# Altium PCB UHVValveCtrlv1.PcbDoc
Units mm, origin at the board's own origin, x right, y up, seen from the top; angles counter-clockwise.
Board outline 139.7 x 45.72 mm, 2 copper layers (Top Layer, Bottom Layer); 68 components, 41 nets, 228 pads, 36 vias.
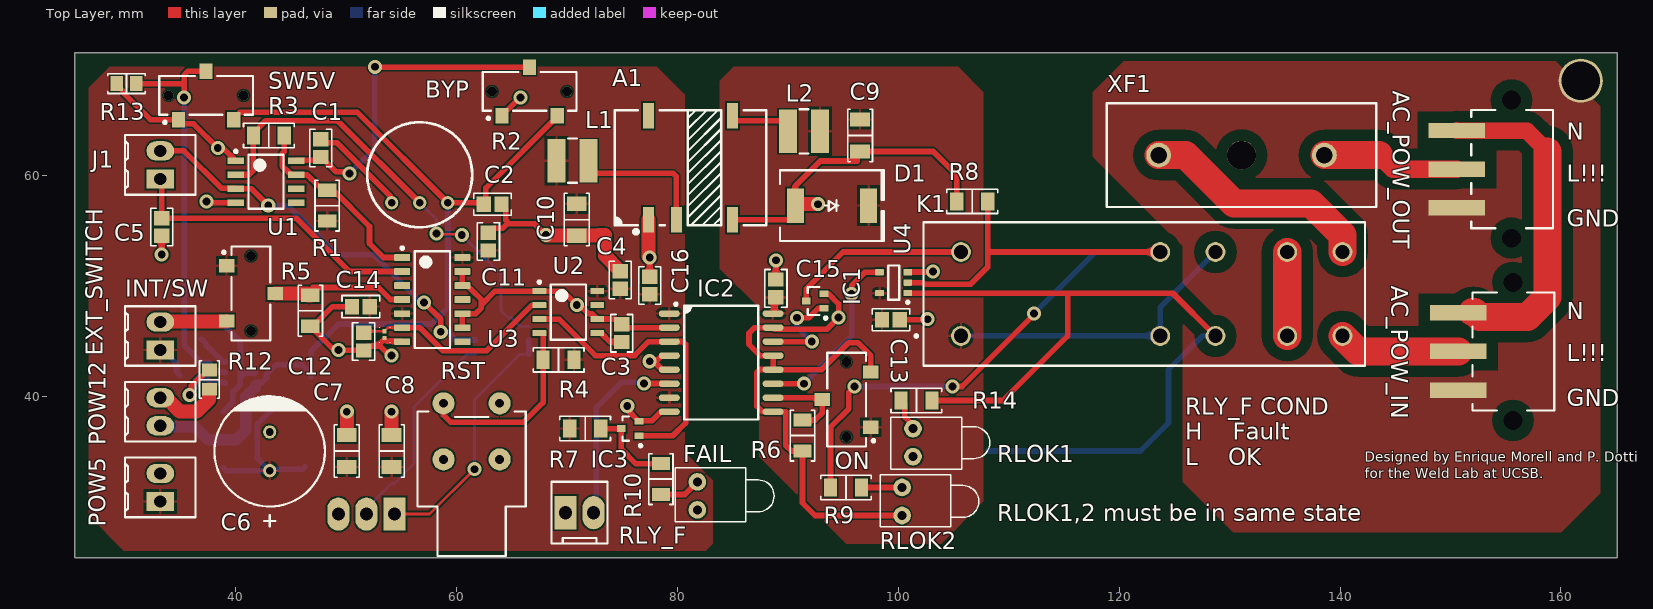
[diagram p0: Top Layer view]
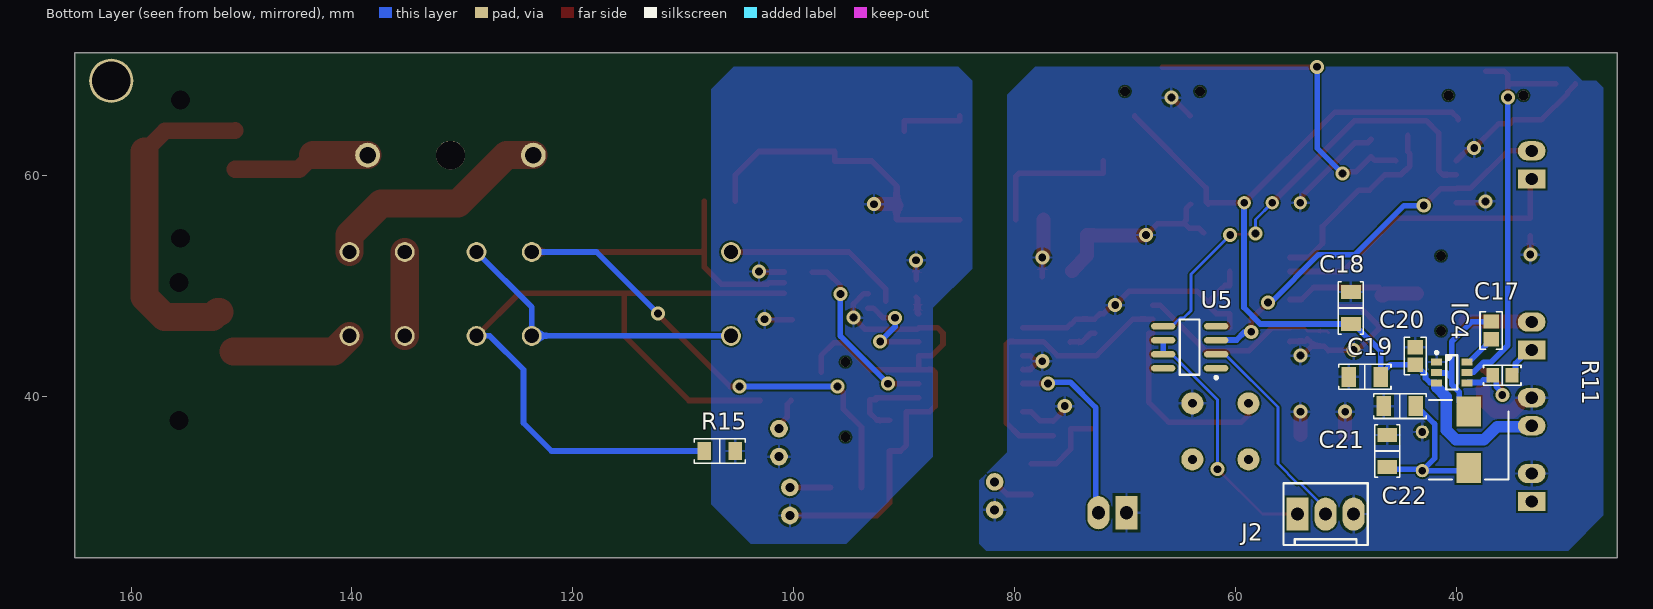
[diagram p1: Bottom Layer view, seen from below]
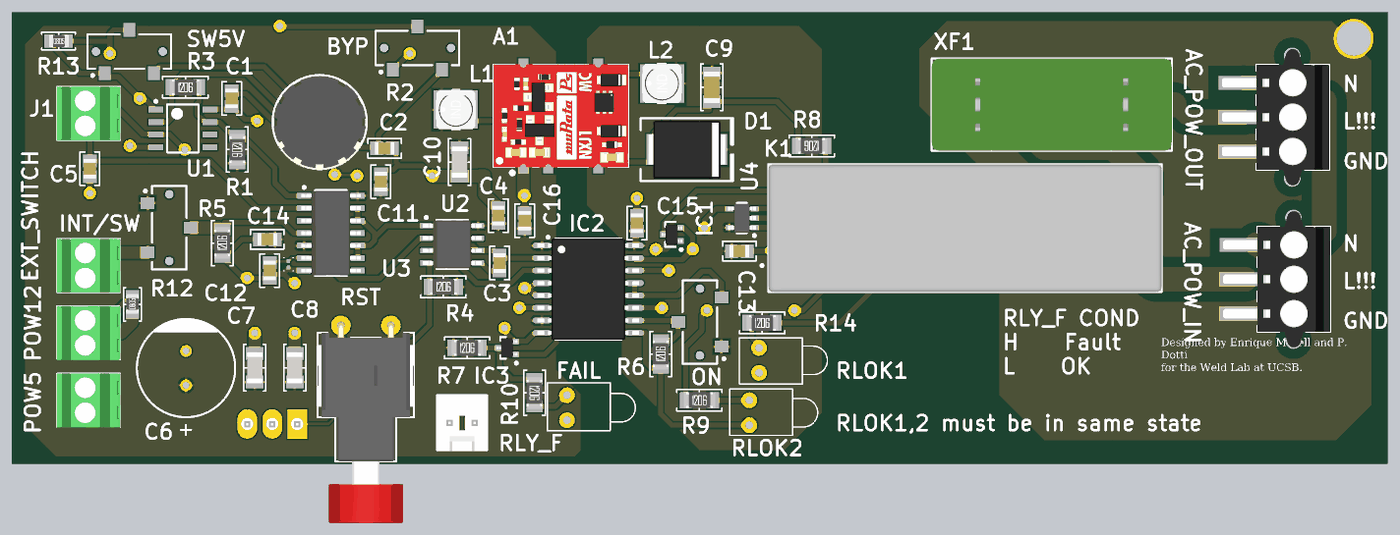
[diagram p2: 3D render of the assembled board from above, using the file's embedded part models]
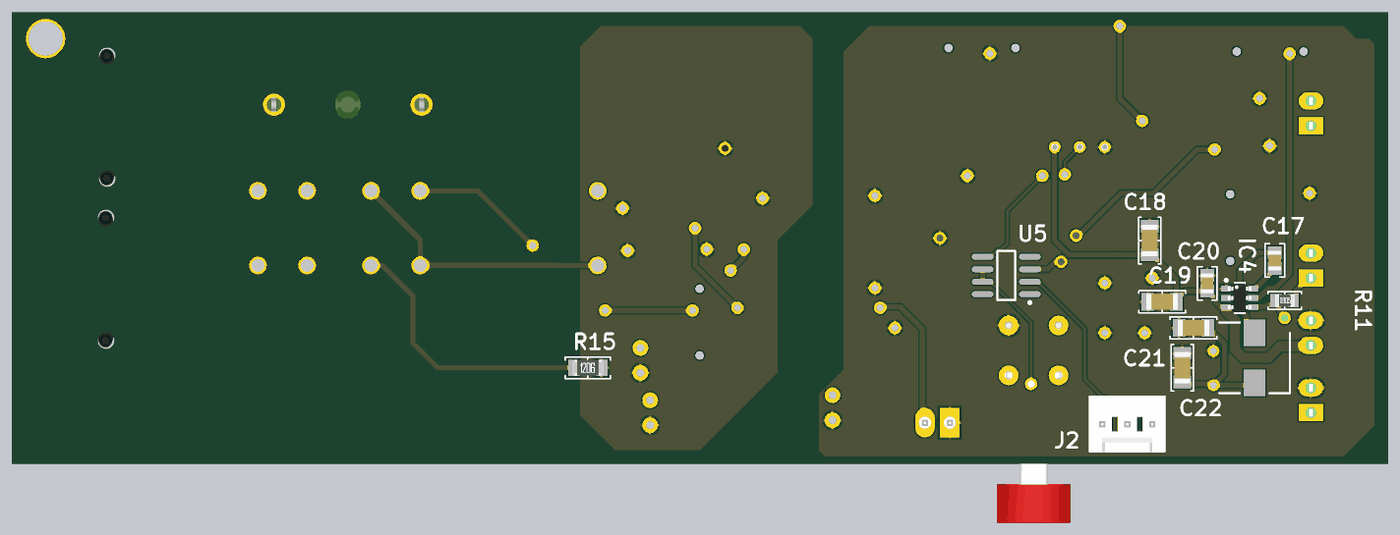
[diagram p3: 3D render of the assembled board from below, using the file's embedded part models]

## Layer stack, top to bottom
Top Solder: solder mask 0.0102, Solder Resist, Dk 3.5
Top Layer: signal copper 0.0356
Dielectric 1: dielectric 0.32, FR-4, Dk 4.8
Bottom Layer: signal copper 0.0356
Bottom Solder: solder mask 0.0102, Solder Resist, Dk 3.5

## Board outline
25.4,25.4 25.4,71.12 165.1,71.12 165.1,25.4

## Design rules (kind name [scope] priority, off if disabled: settings)
Clearance Clearance_1 [All vs InNetClass('AC')] p1: gap=1.016 ignorepadtopadclearanceinfootprint=FALSE
Clearance [All] p2: gap=0.152 ignorepadtopadclearanceinfootprint=FALSE
HoleSize [All] p1: absolutevalues=TRUE maxlimit=4 minlimit=0.254 maxpercent=80.000 minpercent=20.000
MinimumSolderMaskSliver [All] p1: minsoldermaskwidth=0.15
PlaneClearance PlaneClearance_1 [InNetClass('AC')] p1: clearance=1.27
PlaneClearance [All] p2: clearance=0.508
PolygonConnect PolygonConnect_1 [All vs InNetClass('AC')] p1: thpad.connectstyle=Direct thpad.reliefconductorwidth=0.254 thpad.reliefentries=4 thpad.polygonreliefangle="90 Angle" thpad.airgapwidth=0.254 smdpad.connectstyle=Direct smdpad.reliefconductorwidth=0.254 smdpad.reliefentries=4 smdpad.polygonreliefangle="90 Angle" smdpad.airgapwidth=0.254 via.connectstyle=Relief via.reliefconductorwidth=0.254 via.reliefentries=4 via.polygonreliefangle="90 Angle" via.airgapwidth=0.254
PolygonConnect [All] p2: connectstyle=Relief reliefconductorwidth=0.254 reliefentries=4 polygonreliefangle="90 Angle" airgapwidth=0.254
RoomDefinition U_Logic [InComponentClass('U_Logic')] p1: confinementstyle=ConfineIn formatcopy=TRUE lockcomponents=FALSE outline 49.276,42.926 64.262,42.926 64.262,56.134 49.276,56.134
RoomDefinition U_IonValveCtrl [InComponentClass('U_IonValveCtrl')] p2: confinementstyle=ConfineIn formatcopy=TRUE lockcomponents=FALSE outline 67.31,25.146 160.274,25.146 160.274,68.58 67.31,68.58
RoomDefinition U_InputConnectors [InComponentClass('U_InputConnectors')] p3: confinementstyle=ConfineIn formatcopy=TRUE lockcomponents=FALSE outline 28.056,67.097 28.056,69.555 32.69,69.555 32.69,70.515 41.898,70.515 41.898,53.924 44.607,53.924 44.607,50.71 50.984,50.71 50.984,37.756 55.556,37.756 55.556,32.348 48.407,32.348 48.407,27.862 37.699,27.862 37.699,28.096 29.093,28.096 29.093,67.097
RoomDefinition U_FlipFlop [InComponentClass('U_FlipFlop')] p4: confinementstyle=ConfineIn formatcopy=TRUE lockcomponents=FALSE outline 54.987,17.936 54.987,41.644 66.475,41.644 66.475,50.859 73.474,50.859 73.474,52.575 76.132,52.575 76.132,46.479 76.259,46.479 76.259,42.421 71.844,42.421 71.844,41.878 67.695,41.878 67.695,17.936
RoomDefinition U_AnalogPressure [InComponentClass('U_AnalogPressure')] p5: confinementstyle=ConfineIn formatcopy=TRUE lockcomponents=FALSE outline 38.847,56.607 38.847,62.695 40.351,62.695 40.351,65.056 51.041,65.056 51.041,65.672 61.989,65.672 61.989,70.876 71.197,70.876 71.197,63.666 65.275,63.666 65.275,56.075 62.243,56.075 62.243,54.47 51.041,54.47 51.041,54.648 46.831,54.648 46.831,56.607
RoutingVias [All] p1: holewidth=0.711 width=1.27 viastyle="Through Hole" minholewidth=0.711 minwidth=1.27 maxholewidth=0.711 maxwidth=1.27
SilkToSolderMaskClearance [IsPad] p1: minsilkscreentomaskgap=0.15 clearancetoexposedcopper=TRUE
SolderMaskExpansion [All] p1: expansion=0.05
Width Width_1 [InNetClass('AC')] p1: maxlimit=5.08 minlimit=1.02 preferedwidth=2.54
Width [All] p2: maxlimit=1.27 minlimit=0.254 preferedwidth=0.508
26 further rules are at their usual default settings.

## Classes and differential pairs
net class AC: AC_GND AC_LIVE AC_LIVE_Fuse AC_LIVE_IN AC_LIVE_OUT AC_NEUTRAL
component class U_Logic: C11 C12 C14 U3
component class U_IonValveCtrl: A1 AC_POW_IN AC_POW_OUT C9 C10 C13 C15 C16 D1 FAIL IC1 IC2 IC3 K1 L1 L2 ON R6 R7 R8 R9 R10 R14 R15 RLOK1 RLOK2 RLY_F U4 XF1
component class U_InputConnectors: C5 C6 C7 C8 C17 C18 C19 C20 C21 C22 EXT_SWITCH IC4 INT/SW J1 POW5 POW12 R5 R11 R12 R13 SW5V
component class U_FlipFlop: C3 C4 R4 RST U2
component class U_AnalogPressure: BYP C1 C2 R1 R2 R3 U1

## Components (designator, comment, footprint, x,y, rotation, side; value= is the part's Value field where it differs from the comment)
A1 "NXJ1S0505MC-R7" "MURATA NXJ1" 82.423,60.706 r0 top
AC_POW_IN "691508110303" "WURTH 691508110303" 155.702,44.069 r270 top
AC_POW_OUT "691508110303" "WURTH 691508110303" 155.575,60.579 r270 top
BYP "CL-SB-12B-01T" SW_CL-SB-12B-01 66.637,67.163 r0 top
C1 "0.1uF" "CAP 0805/2012" 47.679,62.484 r90 top
C2 "0.1uF" "CAP 0805/2012" 63.246,57.404 r0 top
C3 "10000pF" "CAP 0805/2012" 74.93,45.72 r270 top
C4 "0.1uF" "CAP 0805/2012" 74.803,50.546 r270 top
C5 "10000pF" "CAP 0805/2012" 33.274,55.334 r270 top
C6 "22uF" "CAP AL TH D8 L3.5 H11.5" 43.053,33.274 r90 top
C7 "4.7uF" "CAP 1206/3216 - 1.0MM" 50.038,35.052 r90 top
C8 "4.7uF" "CAP 1206/3216 - 1.0MM" 54.102,35.052 r90 top
C9 "2.2uF" "CAP 1206/3216" 96.52,63.627 r270 top
C10 "4.7uF" "CAP 1206/3216 - 1.8MM" 70.866,56.007 r90 top
C11 "0.1uF" "CAP 0805/2012" 62.865,54.013 r90 top
C12 "0.1uF" "CAP 0805/2012" 51.562,44.958 r270 top
C13 "0.1uF" "CAP 0805/2012" 99.314,46.938 r0 top
C14 "0.1uF" "CAP 0805/2012" 51.308,48.133 r180 top
C15 "0.1uF" "CAP 0805/2012" 88.9,49.784 r90 top
C16 "0.1uF" "CAP 0805/2012" 77.47,50.038 r90 top
C17 "0.1uF" "CAP 0805/2012" 36.83,45.974 r90 bottom
C18 "10uF" "CAP 1206/3216" 49.53,48.006 r270 bottom
C19 "10uF" "CAP 1206/3216" 48.26,41.77 r180 bottom
C20 "0.1uF" "CAP 0805/2012" 43.688,43.65 r270 bottom
C21 "22uF" "CAP 1206/3216" 45.085,39.116 r180 bottom
C22 "22uF" "CAP 1206/3216" 46.228,35.052 r270 bottom
D1 "SM15T15CA" "ST DO214AB SMC" 93.98,57.277 r0 top
EXT_SWITCH "282834-2" "TE 282834-2"#1 33.147,45.466 r90 top
FAIL "LED2" LED-1 81.788,30.988 r0 top
IC1 "BSS138WH6327XTSA1" "INFINEON SOT-323-3" 92.456,48.641 r180 top
IC2 "SI8641BB-B-IS" "SI LABS SOIC-16 WIDE" 83.947,43.053 r0 top
IC3 "BSS138WH6327XTSA1" "INFINEON SOT-323-3" 75.692,37.084 r180 top
IC4 "TPS563201DDCT" "TI SOT-23-6 DDC" 40.386,42.164 r180 bottom
INT/SW "CL-SB-12B-01T" SW_CL-SB-12B-01 40.894,49.276 r270 top (schematic designator INT_SWITCH)
J1 "282834-2" "TE 282834-2"#1 33.147,60.96 r90 top
J2 "22272031" "MOLEX KK 0022272031" 51.816,29.337 r180 bottom
K1 "7-1415054-1" TECO-3-1415055-1-10_V 122.936,49.276 r0 top
L1 "VLCF4024T-4R7N1R4-2" "TDK VLCF4024-2" 70.485,61.341 r0 top value=4.7uH
L2 "VLCF4024T-100MR90-2" "TDK VLCF4024-2" 91.44,64.008 r0 top value=10uH
ON "CL-SB-12B-01T" SW_CL-SB-12B-01 95.758,39.751 r90 top
POW5 "282834-2" "TE 282834-2"#1 33.147,31.75 r90 top
POW12 "282834-2" "TE 282834-2"#2 33.147,38.608 r90 top
R1 "1k" "RES 1206/3216" 48.26,57.277 r270 top
R2 "20k" "POT MODEL91A" 56.642,60.071 r0 top
R3 "510k" "RES 1206/3216" 42.98,63.627 r0 top
R4 "10k" "RES 1206/3216" 69.215,43.307 r0 top
R5 "10k" "RES 1206/3216" 46.736,47.752 r90 top
R6 "10k" "RES 1206/3216" 91.313,36.449 r90 top
R7 "620" "RES 1206/3216" 71.628,37.084 r0 top
R8 "10k" "RES 1206/3216" 106.68,57.658 r180 top
R9 "620" "RES 1206/3216" 95.25,31.75 r0 top
R10 "620" "RES 1206/3216" 78.486,32.512 r270 top
R11 "54.9k" "RES 0805/2012" 35.814,41.91 r180 bottom
R12 "10k" "RES 0805/2012" 37.592,41.515 r90 top
R13 "10k" "RES 0805/2012" 30.085,68.326 r0 top
R14 "620" "RES 1206/3216" 101.63,39.624 r0 top
R15 "10k" "RES 1206/3216" 106.68,35.052 r180 bottom
RLOK1 "LED1" LED-1 101.319,35.81 r0 top
RLOK2 "LED1" LED-1 100.33,30.48 r0 top
RLY_F "0022272021" "MOLEX KK 0022272021" 71.12,29.464 r0 top
RST "AB11AH-HC" "NKK AB11AH-HC" 61.341,34.29 r180 top
SW5V "CL-SB-12B-01T" SW_CL-SB-12B-01 37.338,66.802 r0 top
U1 "LM311DR2G" ONSC-SOIC-8-751-07_V 42.726,59.436 r0 top
U2 "NE555D" D0008A_L 70.104,47.625 r0 top
U3 "CD74HC21M96" D0014A_N 57.785,48.768 r0 top
U4 "SN74LVC1G86DBVR" DBV0005A_L 99.568,50.292 r180 top
U5 "ADA4075-2ARZ" ADI-R-8_N 64.122,44.45 r0 bottom
XF1 "696105003002" 696105003002 131.071,61.849 r0 top

## Footprints (in the part's own frame and the unit in brackets; to place one, negate y for a bottom-side part, rotate by r counter-clockwise, add the part's x,y. Pads: shape width x height; smd on the part's side, far side on the other; paste and mask are expansions set on the pad)
696105003002 [mm] "FUSEHOLDER BLOCKS - PCB - CLIP COVER - THT"
  round 2.25 hole 1.5: 1(-7.5,0) 2(7.5,0)
  round 2.6 hole 2.6 unplated: MH1(0,0)
  silkscreen extent -12.2,-4.7 12.2,4.7, body extent -12.2,-4.7 12.2,4.7, height 11.55
ADI-R-8_N [mm] "SOIC, 8-Leads, Body 4.9x3.9mm, Pitch 1.27mm, IPC Medium Density"
  oval 2.2x0.6 smd: 1(-2.4,1.905) 2(-2.4,0.635) 3(-2.4,-0.635) 4(-2.4,-1.905) 5(2.4,-1.905) 6(2.4,-0.635) 7(2.4,0.635) 8(2.4,1.905)
  silkscreen extent -2.52,-2.5 0.9,2.88, body extent -2,-2.5 2,2.5, height 1.75
"CAP 0805/2012" [mm] "Chip Capacitor, 2-Leads, Body 2.00x1.20mm, IPC Medium Density"
  rect 1.3x1.4 smd: 1(-0.8,0) 2(0.8,0)
  silkscreen extent -1.7,-1 1.7,1, body extent -1,-0.64 1,0.64, height 1.26
"CAP 1206/3216" [mm] "Chip Capacitor, 2-Leads, Body 3.25x1.60mm, IPC Medium Density"
  rect 1.3x1.8 smd: 1(-1.45,0) 2(1.45,0)
  silkscreen extent -2.38,-1.13 2.38,1.13, body extent -1.6,-0.81 1.6,0.81, height 1.62
"CAP 1206/3216 - 1.0MM" [mm] "Chip Capacitor, 2-Leads, Body 3.25x1.60mm, IPC Medium Density"
  rect 1.3x1.8 smd: 1(-1.45,0) 2(1.45,0)
  silkscreen extent -2.38,-1.13 2.38,1.13, body extent -1.6,-0.8 1.6,0.8, height 1
"CAP 1206/3216 - 1.8MM" [mm] "Chip Capacitor, 2-Leads, Body 3.25x1.60mm, IPC Medium Density"
  rect 1.3x1.8 smd: 1(-1.45,0) 2(1.45,0)
  silkscreen extent -2.38,-1.13 2.38,1.13, body extent -1.6,-0.8 1.6,0.8, height 1.8
"CAP AL TH D8 L3.5 H11.5" [mm]
  round 1.2 hole 0.7: 1(0,0) 2(3.5,0)
  silkscreen extent -5.06,-5 6.75,5
D0008A_L [mm] "SOIC, 8-Leads, Body 5x4mm, Pitch 1.27mm, IPC High Density"
  rrect18% 1.25x0.55 smd: 1(-2.625,1.905) 2(-2.625,0.635) 3(-2.625,-0.635) 4(-2.625,-1.905) 5(2.625,-1.905) 6(2.625,-0.635) 7(2.625,0.635) 8(2.625,1.905)
  silkscreen extent -2.75,-2.5 1.6,2.85, body extent -3,-2.45 3,2.45, height 1.63
D0014A_N [mm] "SOIC, 14-Leads, Body 8.75x4mm, Pitch 1.27mm, IPC Medium Density"
  rrect17% 1.45x0.6 smd: 1(-2.725,3.81) 2(-2.725,2.54) 3(-2.725,1.27) 4(-2.725,0) 5(-2.725,-1.27) 6(-2.725,-2.54) 7(-2.725,-3.81) 8(2.725,-3.81) 9(2.725,-2.54) 10(2.725,-1.27) 11(2.725,0) 12(2.725,1.27) 13(2.725,2.54) 14(2.725,3.81)
  silkscreen extent -2.85,-4.37 1.6,4.78, body extent -3.02,-4.32 3.02,4.32, height 1.59
DBV0005A_L [mm] "SOT23, 5-Leads, Body 3.05x1.75mm, Pitch 0.95mm, IPC High Density"
  rrect18% 0.8x0.55 smd: 1(-1.275,0.95) 2(-1.275,0) 3(-1.275,-0.95) 4(1.275,-0.95) 5(1.275,0.95)
  silkscreen extent -1.4,-1.55 0.5,1.9, body extent -1.42,-1.46 1.42,1.46, height 1.08
"INFINEON SOT-323-3" [mm] "SOT323, 3-Leads, Body 2.00x2.10mm, Pitch 0.65mm, IPC Medium Density"
  rect 0.8x0.6 smd: 1(-0.8,0.65) 2(0.8,0) 3(-0.8,-0.65)
  silkscreen extent -1.08,-1.27 0.67,1.67, body extent -1.06,-1 1.06,1, height 1
LED-1 [mm] "LED; 2 Leads"
  round 1.6 hole 0.8: 1(0,1.27) 2(0,-1.27)
  silkscreen extent -2,-2.35 6.95,2.54
"MOLEX KK 0022272021" [mm]
  rect 2x3 hole 1.2: 1(-1.27,0)
  oval 2x3 hole 1.2: 2(1.27,0)
  silkscreen extent -2.54,-2.79 2.54,2.79, body extent -2.54,-2.9 2.54,2.9, height 11.7
"MOLEX KK 0022272031" [mm]
  rect 2x3 hole 1.2: 1(-2.54,0)
  oval 2x3 hole 1.2: 2(0,0) 3(2.54,0)
  silkscreen extent -3.81,-2.79 3.81,2.79, body extent -3.81,-2.9 3.81,2.9, height 11.7
"MURATA NXJ1" [mm]
  rect 1x2.3 smd: 1(-5.08,-4.7) 3(-2.54,-4.7) 7(2.54,-4.7) 8(2.54,4.7) 14(-5.08,4.7)
  silkscreen extent -8.12,-5.9 5.6,5.21, body extent -8.13,-5.23 5.59,5.23, height 4.22
"NKK AB11AH-HC" [mm]
  round 2 hole 0.8: 1(2.54,-5.08) 2(2.54,0) 3(-2.54,-5.08) 4(-2.54,0)
  silkscreen extent -4.9,-4.34 4.9,8.76, body extent -4.9,-5.39 4.9,15.08, height 7.06
ONSC-SOIC-8-751-07_V [mm] "SOIC, 8-Leads, Body 4.9x3.9mm, Pitch 1.27mm"
  rect 1.52x0.6 smd: 1(-2.74,1.905) 2(-2.74,0.635) 3(-2.74,-0.635) 4(-2.74,-1.905) 5(2.74,-1.905) 6(2.74,-0.635) 7(2.74,0.635) 8(2.74,1.905)
  silkscreen extent -2.86,-2.45 1.58,2.88, body extent -1.95,-2.45 1.95,2.45, height 1.75
"POT MODEL91A" [mm]
  round 1.2 hole 0.7: 1(-2.54,-2.54) 2(0,-2.54) 3(2.54,-2.54)
  silkscreen extent -4.76,-4.76 4.76,4.76, body extent -4.68,-4.88 4.68,4.7, height 4.89
"RES 0805/2012" [mm] "Chip Resistor, 2-Leads, Body 2.00x1.25mm, IPC Medium Density"
  rect 1.15x1.35 smd: 1(-0.875,0) 2(0.875,0)
  silkscreen extent -1.7,-0.9 1.7,0.9, body extent -0.95,-0.62 1.05,0.63, height 0.6
"RES 1206/3216" [mm] "Chip Resistor, 2-Leads, Body 3.13x1.55mm, IPC Medium Density"
  rect 1.2x1.65 smd: 1(-1.4,0) 2(1.4,0)
  silkscreen extent -2.3,-1.1 2.3,1.1, body extent -1.57,-0.8 1.62,0.8, height 0.6
"SI LABS SOIC-16 WIDE" [mm] "SOIC, 16-Leads, Body 10.30x7.50mm, Pitch 1.27mm, IPC Medium Density"
  oval 1.9x0.6 smd: 1(-4.7,4.445) 2(-4.7,3.175) 3(-4.7,1.905) 4(-4.7,0.635) 5(-4.7,-0.635) 6(-4.7,-1.905) 7(-4.7,-3.175) 8(-4.7,-4.445) 9(4.7,-4.445) 10(4.7,-3.175) 11(4.7,-1.905) 12(4.7,-0.635) 13(4.7,0.635) 14(4.7,1.905) 15(4.7,3.175) 16(4.7,4.445)
  silkscreen extent -4.22,-5.15 3.35,5.42, body extent -5.16,-5.15 5.16,5.15, height 2.65
"ST DO214AB SMC" [mm] "Molded Diode, 2-Leads, Body 6.85x5.90mm, IPC Medium Density"
  rect 1.54x3.14 smd: 1(-3.325,0) 2(3.325,0)
  silkscreen extent -4.7,-3.2 4.7,3.2, body extent -3.97,-2.95 3.97,2.95, height 2.6
SW_CL-SB-12B-01 [mm]
  rect 1.2x1.4 smd: 1(-2.544,-1.743) 2(-0.044,2.657) 3(2.456,-1.743)
  round 0.9 hole 0.9 unplated: MH1(-3.444,0.457) MH2(3.356,0.457)
  silkscreen extent -4.29,-2.11 4.21,2.21, body extent -4.29,-1.29 4.21,2.21, height 5.5
"TDK VLCF4024-2" [mm] "Precision Wire Wound Inductor, 2-Leads, Body 4.00x4.00mm, IPC Medium Density"
  rect 1.6x3.9 smd: 1(-1.45,0) 2(1.45,0)
  silkscreen extent -0.4,-2 0.4,2, body extent -2.05,-2 2.05,2, height 2.4
"TE 282834-2"#1 [mm]
  rect 1.75x2.5 hole 1.1: 1(-1.27,0)
  oval 1.75x2.5 hole 1.1: 2(1.27,0)
  silkscreen extent -2.7,-3.2 2.7,3.2, body extent -2.77,-3.25 2.77,3.25, height 10
"TE 282834-2"#2 [mm]
  oval 1.75x2.5 hole 1.1: 1(-1.27,0) 2(1.27,0)
  silkscreen extent -2.7,-3.2 2.7,3.2, body extent -2.77,-3.25 2.77,3.25, height 10
TECO-3-1415055-1-10_V [mm] "THD, 10-Leads, Body 40x13mm"
  round 1.8 hole 1.3: 11(0.775,3.8) 12(5.775,3.8) 21(0.775,-3.8) 22(5.775,-3.8) 33(17.275,3.8) 34(12.275,3.8) 43(17.275,-3.8) 44(12.275,-3.8) A1(-17.275,-3.8) A2(-17.275,3.8)
  silkscreen extent -21.45,-6.5 19.32,6.5, body extent -20.68,-6.5 19.32,6.5, height 16.5
"TI SOT-23-6 DDC" [mm] "SOT23, 6-Leads, Body 2.90x2.80mm, Pitch 0.95mm, IPC Medium Density"
  rect 1x0.6 smd: 1(-1.375,0.95) 2(-1.375,0) 3(-1.375,-0.95) 4(1.375,-0.95) 5(1.375,0) 6(1.375,0.95)
  silkscreen extent -1.5,-1.55 0.5,1.92, body extent -1.19,-1.45 1.19,1.45, height 1
"WURTH 691508110303" [mm]
  rect 1.4x5.1 smd: 1(-3.5,-5) 2(0,-5) 3(3.5,-5)
  round 1 hole 1.7 unplated: M(-6.25,-0.05) M(6.25,-0.05)
  silkscreen extent -5.35,-3.7 5.35,3.7, body extent -6.92,-7.2 6.92,3.7, height 11.2

## Part data
A1: "DC/DC SM 1W 5V-5V SINGLE 4.2KV", Current - Output (Max)=200mA, Device Package="14-SMD Module (5 Leads)", Manufacturer="Murata Power Solutions Inc.", Operating Temperature="-40C ~ 85C", Power (Watts)=1W, Supplier Part Number 1=811-3094-1-ND, Voltage - Input (Max)=5.5V, Voltage - Input (Min)=4.5V, Voltage - Isolation="4.2kV (4200V)", Voltage - Output 1=5V, ComponentLink1Description=Datasheet, ComponentLink1URL=http://power.murata.com/data/power/ncl/kdc_nxj1.pdf, ComponentLink2Description="Digi-Key Listing", ComponentLink2URL=https://www.digikey.com/product-detail/en/murata-power-solutions-inc/NXJ1S0505MC-R7/811-3094-1-ND/5697921, Number Of Outputs=1, PartId=14964, Part Number=NXJ1S0505MC-R7, Price=3.55, Supplier 1=Digi-Key, Type="Isolated Module"
AC_POW_IN AC_POW_OUT: "CONN TERM BLK 3POS 3.5MM BLACK", Colour=Black, Manufacturer="Wurth Electronics Inc", Supplier Part Number 1=732-5964-2-ND, TemperatureRange="-40C ~ 130C", Voltage=300V, ComponentLink1Description=Datasheet, ComponentLink1URL=http://katalog.we-online.de/em/datasheet/6915081103xx.pdf, ComponentLink2Description="Digi-Key Listing", ComponentLink2URL=http://www.digikey.com/product-detail/en/wurth-electronics-inc/691508110303/732-5964-2-ND/5047809, Number Of Levels=1, Orientation="Horizontal and Vertical with Board", PartId=16443, Part Number=691508110303, Pitch="0.138\" (3.50mm)", Positions Per Level=3, Price=2.334, Supplier 1=Digi-Key, Type="Terminal Blocks - Wire to Board"
BYP INT/SW ON SW5V: "SWITCH SLIDE SPDT 200MA 12V", Manufacturer="Nidec Copal Electronics", Operating Temperature="-40°C ~ 85°C", Supplier Part Number 1=563-1318-1-ND, Actuator Type=Standard, Circuit=SPDT, ComponentLink1Description=Datasheet, ComponentLink1URL=https://www.nidec-copal-electronics.com/e/catalog/switch/cl-sb.pdf, ComponentLink2Description="Digi-Key Listing", ComponentLink2URL=https://www.digikey.com/product-detail/en/nidec-copal-electronics/CL-SB-12B-01T/563-1318-1-ND/3507878, Mechanical Life="10,000 Cycles", PartId=16472, Part Number=CL-SB-12B-01T, Price=0.9, Series=CL-SB, Supplier 1=Digi-Key, Switch Function=On-On, Switch Travel=2.00mm, Type="Slide Switches"
C1 C2 C4 C11 C12 C13 C14 C15 C16 C17 C20: library part CL21B104KACNNNC, "CAP CER 0.1UF 25V X7R 0805", Device Package="0805 (2012 Metric)", Manufacturer="Samsung Electro-Mechanics America, Inc.", Supplier Part Number 1=1276-1099-2-ND, TemperatureCoefficient=X7R, TemperatureRange="-55C ~ 125C", Tolerance=10%, Voltage=25V, ComponentLink1Description=Datasheet, ComponentLink1URL=http://www.samsungsem.com/kr/support/product-search/mlcc/CL21B104KACNNNC.jsp, ComponentLink2Description="Digi-Key listing", ComponentLink2URL=http://digikey.com/product-detail/en/CL21B104KACNNNC/1276-1099-2-ND/3886757, PartId=5699, Part Number=CL21B104KACNNNC, Price=0.0099, Supplier 1=Digi-Key, Type=-
C3 C5: library part CL21B103KAANNNC, "CAP CER 10000PF 25V X7R 0805", Device Package="0805 (2012 Metric)", Manufacturer="Samsung Electro-Mechanics America, Inc.", Supplier Part Number 1=1276-2434-2-ND, TemperatureCoefficient=X7R, TemperatureRange="-55C ~ 125C", Tolerance=10%, Voltage=25V, ComponentLink1Description=Datasheet, ComponentLink1URL=http://www.samsungsem.com/kr/support/product-search/mlcc/CL21B103KAANNNC.jsp, ComponentLink2Description="Digi-Key listing", ComponentLink2URL=http://digikey.com/product-detail/en/CL21B103KAANNNC/1276-2434-2-ND/3888092, PartId=5695, Part Number=CL21B103KAANNNC, Price=0.0081, Supplier 1=Digi-Key, Type=-
C6: library part EEU-FC2A220, "CAP ALUM 22UF 20% 100V RADIAL", Device Package="Radial, Can - TH", Lifetime @ Temp="2000 Hrs @ 105°C", Manufacturer="Panasonic Electronic Components", Ripple Current=169mA, Supplier Part Number 1=P10770-ND, TemperatureRange="-55°C ~ 105°C", Tolerance=20%, Voltage=100V, ComponentLink1Description=Datasheet, ComponentLink1URL=https://industrial.panasonic.com/ww/products/capacitors/aluminum-capacitors/aluminum-cap-lead/fc/EEUFC2A220, ComponentLink2Description="Digi-Key listing", ComponentLink2URL=https://www.digikey.com/product-detail/en/panasonic-electronic-components/EEU-FC2A220/P10770-ND/285722, PartId=7484, Part Number=EEU-FC2A220, Price=0.46, Supplier 1=Digi-Key, Type=Automotive
C7 C8: library part C3216X5R1H475K085AB, "CAP CER 4.7UF 50V X5R 1206", Device Package="1206 (3216 Metric)", Manufacturer="TDK Corporation", Supplier Part Number 1=445-14692-2-ND, TemperatureCoefficient=X5R, TemperatureRange="-55C ~ 85C", Tolerance=10%, Voltage=50V, ComponentLink1Description=Datasheet, ComponentLink1URL=https://product.tdk.com/info/en/catalog/datasheets/mlcc_commercial_general_en.pdf, ComponentLink2Description="Digi-Key Listing", ComponentLink2URL=https://www.digikey.com/product-detail/en/tdk-corporation/C3216X5R1H475K085AB/445-14692-2-ND/3951928, PartId=17022, Part Number=C3216X5R1H475K085AB, Price=0.3159, Supplier 1=Digi-Key
C9: library part CL31B225KCHSNNE, "CAP CER 2.2UF 100V X7R 1206", Device Package="1206 (3216 Metric)", Manufacturer="Samsung Electro-Mechanics America, Inc.", Supplier Part Number 1=1276-3138-2-ND, TemperatureCoefficient=X7R, TemperatureRange="-55C ~ 125C", Tolerance=10%, Voltage=100V, ComponentLink1Description=Datasheet, ComponentLink1URL=http://media.digikey.com/pdf/Data%20Sheets/Samsung%20PDFs/CL31B225KCHSNNE_Spec.pdf, ComponentLink2Description="Digi-Key listing", ComponentLink2URL=http://digikey.com/product-detail/en/CL31B225KCHSNNE/1276-3138-2-ND/3888796, PartId=6260, Part Number=CL31B225KCHSNNE, Price=0.3227, Supplier 1=Digi-Key, Type=-
C10: library part CL31B475KPHNNNE, "CAP CER 4.7UF 10V X7R 1206", Device Package="1206 (3216 Metric)", Manufacturer="Samsung Electro-Mechanics America, Inc.", Supplier Part Number 1=1276-1133-2-ND, TemperatureCoefficient=X7R, TemperatureRange="-55C ~ 125C", Tolerance=10%, Voltage=10V, ComponentLink1Description=Datasheet, ComponentLink1URL=http://www.samsungsem.com/kr/front/downloadcms.do?path=/kr/support/product-search/mlcc/__icsFiles/afieldfile/2014/11/05&fileName=C_CL31B475KPHNNNE.pdf, ComponentLink2Description="Digi-Key Listing", ComponentLink2URL=https://www.digikey.com/product-detail/en/samsung-electro-mechanics-america-inc/CL31B475KPHNNNE/1276-1133-2-ND/3886791, PartId=17410, Part Number=CL31B475KPHNNNE, Price=0.0761, Supplier 1=Digi-Key
C18 C19: library part C1206C106M3RACTU, "CAP CER 10UF 25V X7R 1206", Device Package="1206 (3216 Metric)", Manufacturer=Kemet, Supplier Part Number 1=399-7443-2-ND, TemperatureCoefficient=X7R, TemperatureRange="-55C ~ 125C", Tolerance=20%, Voltage=25V, ComponentLink1Description=Datasheet, ComponentLink1URL=http://www.kemet.com/docfinder?Partnumber=C1206C106M3RACTU, ComponentLink2Description="Digi-Key listing", ComponentLink2URL=http://digikey.com/product-detail/en/C1206C106M3RACTU/399-7443-2-ND/3317649, PartId=6235, Part Number=C1206C106M3RACTU, Price=0.2272, Supplier 1=Digi-Key, Type=-
C21 C22: library part CL31A226KAHNNNE, "CAP CER 22UF 25V X5R 1206", Device Package="1206 (3216 Metric)", Manufacturer="Samsung Electro-Mechanics America, Inc.", Supplier Part Number 1=1276-3047-2-ND, TemperatureCoefficient=X5R, TemperatureRange="-55C ~ 85C", Tolerance=10%, Voltage=25V, ComponentLink1Description=Datasheet, ComponentLink1URL=//media.digikey.com/pdf/Data%20Sheets/Samsung%20PDFs/CL31A226KAHNNNE_Spec.pdf, ComponentLink2Description="Digi-Key Listing", ComponentLink2URL=https://www.digikey.com/product-detail/en/samsung-electro-mechanics-america-inc/CL31A226KAHNNNE/1276-3047-2-ND/3888705, PartId=15794, Part Number=CL31A226KAHNNNE, Price=0.1785, Supplier 1=Digi-Key
D1: "TVS DIODE 12.8VWM 27.2VC SMC", Current - Peak Pulse="368A (8/20us)", Device Package="DO-214AB, SMC", Manufacturer=STMicroelectronics, Operating Temperature="-55C ~ 150C (TJ)", Power - Peak Pulse="1500W (1.5kW)", Supplier Part Number 1=497-7863-2-ND, Voltage (Breakdown)=14.3V, Voltage (Clamping)=27.2V, Voltage (Reverse Standoff)=12.8V, Bidirectional Channels=1, ComponentLink1Description=Datasheet, ComponentLink1URL=http://www.st.com/web/en/resource/technical/document/datasheet/CD00000724.pdf, ComponentLink2Description="Digi-Key Listing", ComponentLink2URL=https://www.digikey.com/product-detail/en/stmicroelectronics/SM15T15CA/497-7863-2-ND/1039033, PartId=14821, Part Number=SM15T15CA, Price=0.2798, Supplier 1=Digi-Key, Type=Zener